# Altium PCB PCB1.PcbDoc (part 2 of 5)
Units mm, origin at the board's own origin, x right, y up, seen from the top; angles counter-clockwise.
Board outline 160 x 50 mm, 6 copper layers (Top Layer, Layer 1, Top Middle Layer, Bottom Middle Layer, Layer 2, Bottom Layer), stack 0.885 mm thick; 337 components, 281 nets, 1269 pads, 489 vias.
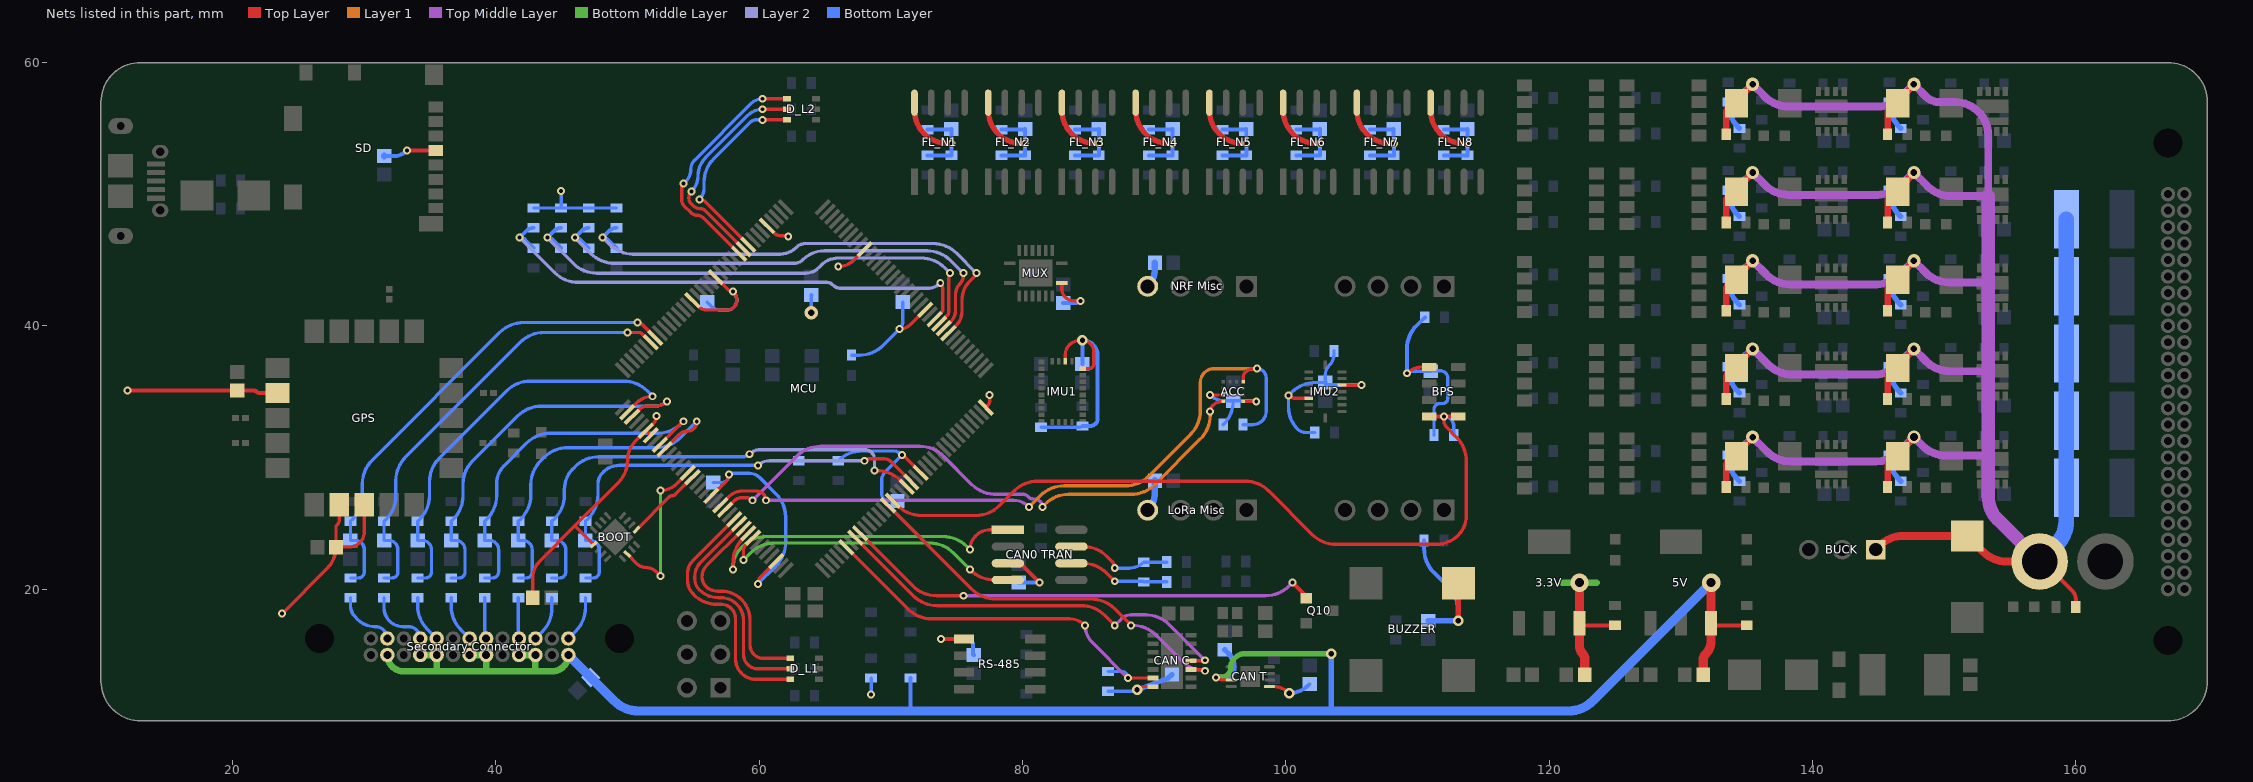
[diagram p6: the nets of this part, all layers, seen from the top]

## Footprints (in the part's own frame and the unit in brackets; to place one, negate y for a bottom-side part, rotate by r counter-clockwise, add the part's x,y. Pads: shape width x height; smd on the part's side, far side on the other; paste and mask are expansions set on the pad) (continued)
QFN50P300X300X65-17N-D [mm]
  rect 0.65x0.25 smd: 1(-1.55,0.75) 2(-1.55,0.25) 3(-1.55,-0.25) 4(-1.55,-0.75) 9(1.55,-0.75) 10(1.55,-0.25) 11(1.55,0.25) 12(1.55,0.75)
  rect 0.25x0.65 smd: 5(-0.75,-1.55) 6(-0.25,-1.55) 7(0.25,-1.55) 8(0.75,-1.55) 13(0.75,1.55) 14(0.25,1.55) 15(-0.25,1.55) 16(-0.75,1.55)
  rect 2x2 smd: 17(0,0)
  silkscreen extent -1.72,1.18 -1.47,1.43, body extent -1.55,-1.55 1.55,1.55, height 0.65
SMD-0603 [mm] "Chip Inductor, 2-Leads, Body 1.6x0.8mm"
  rect 0.85x0.7 smd: 1(-0.775,0) 2(0.775,0)
  body extent -0.8,-0.4 0.8,0.4, height 0.79
SMD-0805 [mm] "Chip Inductor, 2-Leads, Body 2.0x1.2mm"
  rect 1.15x1 smd: 1(-1.175,0) 2(1.175,0)
  body extent -1,-0.6 1,0.6, height 0.89
SN74CBT3257CRGYR [mm]
  rect 0.85x0.28 smd: 1(-1.975,-0.75) 8(1.975,-0.75) 9(1.975,0.75) 16(-1.975,0.75)
  rect 0.28x0.85 smd: 2(-1.25,-1.725) 3(-0.75,-1.725) 4(-0.25,-1.725) 5(0.25,-1.725) 6(0.75,-1.725) 7(1.25,-1.725) 10(1.25,1.725) 11(0.75,1.725) 12(0.25,1.725) 13(-0.25,1.725) 14(-0.75,1.725) 15(-1.25,1.725)
  rect 2.55x2.05 smd: 17(0,0)
  silkscreen extent -2.9,-1.82 2.07,1.83, body extent -2,-1.75 2,1.75, height 1
SOIC127P600X175-8N [mm]
  rect 1.525x0.65 smd: 1(-2.712,1.905) 2(-2.712,0.635) 3(-2.712,-0.635) 4(-2.712,-1.905) 5(2.712,-1.905) 6(2.712,-0.635) 7(2.712,0.635) 8(2.712,1.905)
  silkscreen extent -3.47,-2.45 1.6,2.58, body extent -3,-2.45 3,2.45, height 1.75
"SOIC-8 - duplicate" [mm]
  rect 2x0.5 smd: 1(0,0)
  oval 2x0.5 smd: 2(0,-1.27) 3(0,-2.54) 4(0,-3.81) 5(6,-3.81) 6(6,-2.54) 7(6,-1.27) 8(6,0)
  silkscreen extent 1.27,-4.44 4.7,0.64, body extent 0.05,-4.36 6.05,0.55, height 1.7
SON65P300X450X90-15N-D [mm]
  rect 0.85x0.35 smd: 1(-1.45,1.95) 2(-1.45,1.3) 3(-1.45,0.65) 4(-1.45,0) 5(-1.45,-0.65) 6(-1.45,-1.3) 7(-1.45,-1.95) 8(1.45,-1.95) 9(1.45,-1.3) 10(1.45,-0.65) 11(1.45,0) 12(1.45,0.65) 13(1.45,1.3) 14(1.45,1.95)
  rect 1.65x4.25 smd: 15(0,0)
  silkscreen extent -2,2.5 -1.75,2.75, body extent -1.55,-2.25 1.55,2.25, height 0.9
SOT230P700X180-4N [mm]
  rect 1.85x0.9 smd: 1(-3.1,2.3) 2(-3.1,0) 3(-3.1,-2.3)
  rect 1.85x3.2 smd: 4(3.1,0)
  silkscreen extent -4.03,-3.25 1.75,3.25, body extent -3.5,-3.25 3.5,3.25, height 1.8
TECO-MS560702BA03-50_V [mm] "SMD, 8-Leads, Body 3x5mm, Pitch 1.25mm"
  rect 1.1x0.6 smd: 1(-1.1,1.875) 2(-1.1,0.625) 3(-1.1,-0.625) 4(-1.1,-1.875) 5(1.1,-1.875) 6(1.1,-0.625) 7(1.1,0.625) 8(1.1,1.875)
  silkscreen extent -2.32,-2.5 0.32,2.5, body extent -1.5,-2.5 1.5,2.5, height 1
VISH-SOIC-8_C_V [mm] "SOIC, 8-Leads, Body 6x4mm, Pitch 1.27mm"
  rect 1.14x0.91 smd: 1(-2.73,1.905) 2(-2.73,0.635) 3(-2.73,-0.635) 4(-2.73,-1.905) 5(2.73,-1.905) 6(2.73,-0.635) 7(2.73,0.635) 8(2.73,1.905)
  silkscreen extent -2.85,-3 1.75,3.03, body extent -3,-3 3,3, height 3.46
VR10S09 [mm]
  rect 1.5x1.5 hole 1: 1(0,0)
  round 1.5 hole 1: 2(2.54,0) 3(5.08,0)
  silkscreen extent -3.26,-2.8 8.34,5.7, body extent -3.26,-2.3 8.34,5.7, height 11
WE-150060VS75000_V [mm] "SMD, 2-Leads, Body 1.6x0.8mm"
  rect 0.8x0.8 smd: 1(-0.8,0) 2(0.8,0)
  silkscreen extent -0.25,-0.5 0.25,0.5, body extent -0.8,-0.4 0.8,0.4, height 0.7
XT30 [mm]
  round 4.3 hole 2.7: 1(0,0) 2(5,0)
  body extent -2.62,-2.63 7.62,2.63, height 10.75

## Part data
3.3V 5V: "Integrated Circuit", Manufacturer_Name="Diodes Inc.", Height=1.8mm
  3.3V: Datasheet Link=https://www.arrow.com/en/products/az1117ch2-3.3trg1/diodes-incorporated, Manufacturer_Part_Number=AZ1117CH2-3.3TRG1
  5V: Datasheet Link=https://www.arrow.com/en/products/az1117ch2-5.0trg1/diodes-incorporated, Manufacturer_Part_Number=AZ1117CH2-5.0TRG1
ACC: library part CMP-223024-000001-1, "105C OPERATING HIGHER BANDWIDTH,"
BOOT: "Integrated Circuit", Manufacturer_Name=NXP, Mouser Part Number=841-MKL02Z32VFG4, Arrow Part Number=MKL02Z32VFG4, Arrow Price/Stock=https://www.arrow.com/en/products/mkl02z32vfg4/nxp-semiconductors, Datasheet Link=http://www.nxp.com/docs/en/data-sheet/KL02P32M48SF0.pdf, Height=0.65mm, Manufacturer_Part_Number=MKL02Z32VFG4, Mouser Price/Stock=https://www.mouser.co.uk/ProductDetail/NXP-Semiconductors/MKL02Z32VFG4?qs=RECgZY%252BK1xLpPFD7GzHxWg%3D%3D
"Boot J": "Header, 3-Pin, Dual row", LatestRevisionDate=17-Jul-2002, LatestRevisionNote="Re-released for DXP Platform.", Publisher="Altium Limited"
BPS: library part CMP-2000-07512-1, "Barometric Pressure Sensor, with Stainless Steel Cap , 1.8 to 3.6 V, -40 to 85 degC, 8-Pin SMD, RoHS, Tape and Reel", Manufacturer="TE Connectivity", Package Description="8-Pin Surface Mount Device, Body 3 x 5 mm, Pitch 1.25 mm", Datasheet URL=http://www.te.com/commerce/DocumentDelivery/DDEController?Action=showdoc&DocId=Data+Sheet%7FMS5607-02BA03%7FB2%7Fpdf%7FEnglish%7FENG_DS_MS5607-02BA03_B2.pdf%7FMS560702BA03-50, Datasheet Version=06/2017, Lead Free=LeadFree, Manufacturer URL=http://www.te.com/, Mounting Technology=SurfaceMount, Package Reference=MS560702BA03-50, RoHSCompliant=false
BUCK: "Power Supply", Manufacturer_Name="XP POWER", Datasheet Link=https://www.xppower.com/portals/0/pdfs/SF_VR10.pdf, Height=10.9mm, Manufacturer_Part_Number=VR10S09
BUZZER: library part CMP-247804-000002-1, "AUDIO MAGNETIC XDCR 2-4V SMD", Current=100mA, Frequency=2700Hz, Manufacturer="Soberton Inc.", Max Supply Voltage=4.5V, Min Supply Voltage=2.5V, Operating Supply Voltage=3.6V, Temperature="-30°C to +85°C", Temperature Range High=+85°C, Temperature Range Low=-30°C, Automotive=No, Category=Speak, ComponentLink2Description=Datasheet, ComponentLink2URL=https://www.soberton.com/wp-content/uploads/2019/02/ST-025BH-19-Feb-2019.pdf, Device Class L1=Electromechanical, Device Class L2="Audio Products", Device Class L3=Buzzers, Digikey Description="AUDIO MAGNETIC XDCR 2-4V SMD", Height=3mm, Lead Free=Yes, Manufacturer Part Number=ST-025BH, Octopart=https://octopart.com/st-025bh-soberton-22171825, Package=ST-025BH, RoHS=TRUE
C1 C2 C3 C4 C5 C102 C103 C104 C105 C106 C201 C202 C203 C204 C205 C206 C207 C208 C209 C210 C301 C302 C401 C402 C403 C404 C405 C406 C407 C509 C601 C602 C603 C604 C_F1 C_F2 C_F3 C_F4 C_F5 C_F6 C_F7 C_F8 C_H1 C_H2 C_H3 C_H4 C_H5 C_H6 C_H7 C_H8 C_H9 C_H10 C_N1 C_N2 C_N3 C_N4 C_N5 C_N6 C_N7 C_N8: library part CMP-2006-01550-1, Manufacturer=Vitramon, Part Number=VJ0603Y104KXQCW1BC
C101: "Capacitor Polarised", Manufacturer_Name=Vishay, Datasheet Link=http://www.vishay.com/doc?40080, Height=3.1mm, Manufacturer_Part_Number=TR3D226M035C0400
"CAN0 TRAN": library part CMP-0315-00015-3, "IC TRANSCEIVER HALF 1/1 8SOIC", Case/Package=D, Max Operating Temperature=85°C, Max Supply Current=17mA, Max Supply Voltage=3.6V, Min Operating Temperature=-40°C, Min Supply Voltage=3V, Operating Supply Voltage=3.3V, Package Quantity=1, Contact Plating=Gold, Data Rate=1Mbps, Lead Free="Lead Free", Nominal Supply Current=17mA, Number of Drivers=1, Number of I/Os=2, Number of Pins=8, Number of Receive Buffers=1, Number of Receivers=1, Number of Transceivers=1, Number of Transmit Buffers=1, Packaging="Tape and Reel", Radiation Hardening=No, REACH SVHC="No SVHC", Termination=SMD/SMT, Weight=0.002561oz
"CAN C": "Integrated Circuit", Arrow Part Number=MCP2517FD-H/JHA, Manufacturer_Name=Microchip, Mouser Part Number=579-MCP2517FD-H/JHA, Arrow Price/Stock=https://www.arrow.com/en/products/mcp2517fd-hjha/microchip-technology?region=nac, Datasheet Link=http://ww1.microchip.com/downloads/en/DeviceDoc/MCP2517FD-External-CAN-FD-Controller-with-SPI-Interface-20005688B.pdf, Height=0.9mm, Manufacturer_Part_Number=MCP2517FD-H/JHA, Mouser Price/Stock=https://www.mouser.co.uk/ProductDetail/Microchip-Technology/MCP2517FD-H-JHA?qs=HXFqYaX1Q2zUpFu1TRdQJQ%3D%3D
"CAN T": library part CMP-06279-000021-1, "IC TRANSCEIVER 1/1 8TDFN", Max Operating Temperature=125°C, Min Operating Temperature=-40°C, Data Rate=8Mbps, Mount="Surface Mount", Packaging="Tape and Reel", Receiver Hysteresis=200mV, RoHS Compliant=Yes
D1 D2: library part CMP-12791-000030-1, "DIODE GEN PURP 1KV 3A SMB", Capacitance=40pF, Forward Current=3A, Manufacturer="Diodes Inc.", Max Junction Temp=+150°C, Max Repetitive Reverse Voltage=1000V, Max Surge Forward Current=100A, Package=SMB, Peak Reverse Current=10uA, Temperature="-65°C to +150°C", Temperature Range Low=-65°C, Automotive=No, Category=Diode, ComponentLink2Description=Datasheet, ComponentLink2URL=https://www.diodes.com/assets/Datasheets/ds16005.pdf, Device Class L1="Discrete Semiconductors", Device Class L2=Diodes, Device Class L3="Rectifier Diodes", Digikey Description="DIODE GEN PURP 1KV 3A SMB", Footprint Url=https://www.diodes.com/assets/Package-Files/SMB.pdf, Height=2.5mm, Lead Free=Yes, Manufacturer Part Number=S3MB-13-F, Mouser Description="Rectifiers 1000V 3A", Octopart=https://octopart.com/s3mb-13-f-diodes+inc.-333387, Reverse Voltage=1000V, RoHS=TRUE, Standoff Height=0.05mm, Temperature Range High=+150°C
D1_H1 D1_H2 D1_H3 D1_H4 D1_H5 D1_H6 D1_H7 D1_H8 D1_H9 D1_H10: library part CMP-56207-000009-1, "DIODE GEN PURP 1.6KV 1A DO214AC", Average Rectified Current=1A, Max Reverse Voltage (DC)=1.6kV, Mount="Surface Mount", Packaging="Cut Tape", Reverse Recovery Time=2.5us, RoHS Compliant=Yes
D_L1 D_L2: library part CMP-13977-000015-1, "LED RGB DIFFUSED 6PLCC SMD", Case/Package=SMD/SMT, Color=Blue, Forward Voltage=3V, Lens Color=White, Test Current=10mA, Dominant Wavelength=470nm, Height=2.6mm, Length=2.8mm, Lens Transparency=Diffused, Luminous Intensity=240mcd, Mount="Surface Mount", Packaging="Tape and Reel", Width=2.8mm
DS1 DS2 DS3 DS4 DS7_H1 DS7_H2 DS7_H3 DS7_H4 DS7_H5 DS7_H6 DS7_H7 DS7_H8 DS7_H9 DS7_H10: library part CMP-1426-00006-4, "WL-SMCW SMD Chip LED Top View Monocolor Waterclear, 30 mA, 2 V, -40 to 85 degC, 2-Pin SMD, RoHS, Tape and Reel", ComponentLink1Description="Manufacturer URL", ComponentLink1URL=https://www.we-online.com/, ComponentLink2Description=Datasheet, ComponentLink2URL=http://katalog.we-online.de/led/datasheet/150060VS75000.pdf, DatasheetVersion="Rev. 2.7", Mounting Technology="Surface Mount", PackageDescription="2-Pin Surface Mount Device, Body 1.6 x 0.8 mm", PartNumber=150060VS75000, RoHSCompliant=True
F1: library part CMP-08605-000061-1, "FUSE BRD MNT 1A 125VAC/VDC 2SMD", Fuse Current=1A, Fuse Interrupt Ac Current=50A, Fuse Interrupt Dc Current=300A, Manufacturer="Littelfuse Inc", Max Fuse Ac Voltage=125V, Package=0451, Resistance=0.078Ω, Temperature="-55°C to +125°C", Temperature Range High=+125°C, Temperature Range Low=-55°C, Automotive=No, Category=Fuse, ComponentLink2Description=Datasheet, ComponentLink2URL=https://www.littelfuse.com/~/media/electronics/datasheets/fuses/littelfuse_fuse_451_453_datasheet.pdf.pdf, Device Class L1="Circuit Protection", Device Class L2=Fuses, Device Class L3=unset, Digikey Description="FUSE BRD MNT 1A 125VAC/VDC 2SMD", Fuse Blow Speed=Fast, Fuse I2T=0.6029A2Sec, Height=2.94mm, Lead Free=Yes, Manufacturer Part Number=0451001.MRL, Max Fuse Dc Voltage=125V, Mouser Description="Surface Mount Fuses 125V 1A", Octopart=https://octopart.com/0451001.mrl-littelfuse-566368, RoHS=TRUE, Voltage Rating=125V
F_PTC1 F_PTC2 F_PTC3 F_PTC4 F_PTC5: "Fuse", Manufacturer_Name=LITTELFUSE, Manufacturer_Part_Number=2016L150/33DR, Mouser2 Part Number=576-2016L150/33DR, Datasheet Link=https://componentsearchengine.com//2016L150_33DR.pdf, Height=1.6mm, Mouser2 Price/Stock=https://www.mouser.com/Search/Refine.aspx?Keyword=576-2016L150%2F33DR
FB1: library part CMP-0220-00030-1, "SMD EMI Suppression Ferrite Bead WE-CBF, Z = 120 Ohm", ComponentLink1Description="Manufacturer Link", ComponentLink1URL=http://www.we-online.com, ComponentLink2Description=Datasheet, ComponentLink2URL=http://www.we-online.de/katalog/media/pdf/742792023.pdf, DatasheetVersion=Dec-2005, Impedance="120 Ohm", PackageDescription="Chip Inductor, 2-Leads, Body 2.0 x 1.2 mm", PackageReference=SMD-0805, PackageVersion=2005
FB2 FB3: library part CMP-0220-00181-1, "SMD EMI Suppression Ferrite Bead WE-CBF, Z = 600 Ohm", ComponentLink1Description="Manufacturer Link", ComponentLink1URL=http://www.we-online.com, ComponentLink2Description=Datasheet, ComponentLink2URL=http://www.we-online.de/katalog/media/pdf/742792651.pdf, DatasheetVersion=Dec-2005, Impedance="600 Ohm", PackageDescription="Chip Inductor, 2-Leads, Body 1.6 x 0.8 mm", PackageReference=SMD-0603, PackageVersion=2009
FB5 FB6 FB7 FB8 FB9: library part CMP-0686-00279-4, "Chip Ferrite Bead, 0402, 1000Ω @ 100MHz, 1.25Ω, 25%, 250mA", Case Code (Imperial)=0402, Case Code (Metric)=1005, Current Rating=250mA, DC Resistance (DCR)=1.25R, Frequency=100MHz, Manufacturer Series=BLM15H, Max Operating Temperature=125°C, Min Operating Temperature=-55°C, Package Quantity=1, Tolerance=25%, Case/Package=0402, Contact Plating=Tin, Core Material=Ferrite, DC Current=250mA, DC Resistance-Max=1.25R, Depth=0.5mm, Height=0.5mm, Impedance=1kR, Lead Free="Lead Free", Length=1mm, Material=Steel, Max Current Rating=250mA, Max DC Current=250mA, Military Standard=Not, Number of Circuits=1, Number of Functions=1, Number of Lines=1, Number of Pins=2, Packaging="Tape and Reel", Radiation Hardening=No, REACH SVHC="No SVHC", Resistance=1.25R, RoHS Compliant=Yes, Series=BLM15H, Shielding=Unshielded, Termination=SMD/SMT, Test Frequency=100MHz, Width=0.5mm
FL_N1 FL_N2 FL_N3 FL_N4 FL_N5 FL_N6 FL_N7 FL_N8: library part Component_1
GPS: library part CMP-207130-000004-3, "RF RX GALILEO 1.575GHZ/1.602GHZ", Manufacturer=uBlox, Max Frequency=1602MHz, Max Supply Voltage=3.6V, Min Supply Voltage=2.7V, Nominal Supply Current=9.5-32mA, Package=0, Temperature="-40°C to +85°C", Temperature Range High=+85°C, Temperature Range Low=-40°C, Automotive=Yes, Automotive Grade="Grade 3", Category=IC, ComponentLink2Description=Datasheet, ComponentLink2URL=https://www.u-blox.com/sites/default/files/SAM-M8Q_DataSheet_%28UBX-16012619%29.pdf, Data Rate=400kbits/s, Device Class L1="Integrated Circuits (ICs)", Device Class L2="RF Semiconductors and Devices", Device Class L3=Transceivers, Digikey Description="RF RX GALILEO 1.575GHZ/1.602GHZ", Footprint Url=https://www.u-blox.com/sites/default/files/SAM-M8Q_HardwareIntegrationManual_%28UBX-16018358%29.pdf, Height=6.8mm, Interface=I2C,UART,Other, Lead Free=Yes, Manufacturer Part Number=SAM-M8Q-0-10, Octopart=https://octopart.com/sam-m8q-0-10-u-blox-88247750, RoHS=TRUE, Sensitivity=-165dBm
IMU1: library part CMP-2000-05075-4, "IMU ACCEL/GYRO/MAG I2C 28LGA", Case/Package=LGA, Max Operating Temperature=85°C, Min Operating Temperature=-40°C, Lead Free="Lead Free", Mount="Surface Mount", Output Type=I2C, Packaging="Tape and Reel", Sensor Type=Accelerometer
IMU2: library part CMP-191067-000009-1, "IMU ACCEL/GYRO I2C/SPI 16LGA", Case/Package=LGA, Max Operating Temperature=85°C, Min Operating Temperature=-40°C, Package Quantity=5000, Axis="X, Y, Z", Bandwidth=8Hz, Interface=I2C, Lead Free="Lead Free", Mount="Surface Mount", Number of Pins=16, Output Type=SPI, Packaging="Tape and Reel", Sensitivity=128LSB/g, Sensor Type=Accelerometer
JP1 JP2 JP3 JP4 "JP H_J1" "JP H_J2" "JP H_J3" "JP H_J4" "JP L_J1" "JP L_J2" "JP L_J3" "JP L_J4" R1 R1_F1 R1_F2 R1_F3 R1_F4 R1_F5 R1_F6 R1_F7 R1_F8 R1_L1 R1_L2 R1_N1 R1_N2 R1_N3 R1_N4 R1_N5 R1_N6 R1_N7 R1_N8 R1_O1 R1_O2 R1_O3 R1_O4 R1_O5 R1_O6 R1_O7 R1_O8 R1_O9 R1_O10 R2 R2_F1 R2_F2 R2_F3 R2_F4 R2_F5 R2_F6 R2_F7 R2_F8 R2_L1 R2_L2 R2_N1 R2_N2 R2_N3 R2_N4 R2_N5 R2_N6 R2_N7 R2_N8 R2_O1 R2_O2 R2_O3 R2_O4 R2_O5 R2_O6 R2_O7 R2_O8 R2_O9 R2_O10 R3_H1 R3_H2 R3_H3 R3_H4 R3_H5 R3_H6 R3_H7 R3_H8 R3_H9 R3_H10 R3_L1 R3_L2 R3_N1 R3_N2 R3_N3 R3_N4 R3_N5 R3_N6 R3_N7 R3_N8 R4_H1 R4_H2 R4_H3 R4_H4 R4_H5 R4_H6 R4_H7 R4_H8 R4_H9 R4_H10 R5_H1 R5_H2 R5_H3 R5_H4 R5_H5 R5_H6 R5_H7 R5_H8 R5_H9 R5_H10 R6_H1 R6_H2 R6_H3 R6_H4 R6_H5 R6_H6 R6_H7 R6_H8 R6_H9 R6_H10 R7_H1 R7_H2 R7_H3 R7_H4 R7_H5 R7_H6 R7_H7 R7_H8 R7_H9 R7_H10 R8_H1 R8_H2 R8_H3 R8_H4 R8_H5 R8_H6 R8_H7 R8_H8 R8_H9 R8_H10 R9_H1 R9_H2 R9_H3 R9_H4 R9_H5 R9_H6 R9_H7 R9_H8 R9_H9 R9_H10 R101 R102 R103 R104 R105 R106 R107 R201 R301 R302 R303 R304 R305 R306 R307 R308 R401 R402 R403 R405 R406 R407 R408 R601 R602 R603: library part Res3, "Resistor", LatestRevisionDate=29-May-2009, LatestRevisionNote="IPC-7351 Footprint Added.", PackageDescription="Chip Resistor", PackageReference=J1-0603, Published=8-Jun-2000, Publisher="Altium Limited"
"LoRa Misc" "LoRa SPI" "NRF Misc" "NRF SPI": "XH Series 4 Position 2.5 mm Pitch Through Hole Crimp Top Entry Shrouded Header", Package=None, Availability=Unavailable, MF="{'manufacturer': u'JST Sales America Inc.'}", MP=B4B-XH-A(LF)(SN), Price=None
MCU: library part COMPONENT_1
MUX RS-485: "Integrated Circuit", Manufacturer_Name="Texas Instruments"
  MUX: Datasheet Link=http://www.ti.com/lit/gpn/sn74cb3q3251, Manufacturer_Part_Number=SN74CB3Q3251RGYR
  RS-485: Datasheet Link=http://www.ti.com/lit/gpn/sn65lbc179, Height=1.75mm, Manufacturer_Part_Number=SN65LBC179D
OP_O1 OP_O2 OP_O3 OP_O4 OP_O5 OP_O6 OP_O7 OP_O8 OP_O9 OP_O10: library part CMP-2000-06453-1, "Optocoupler, Phototransistor Output, Dual Channel, 4000 VRMS, -55 to 100 degC, 8-Pin SOIC, RoHS, Tape and Reel", Current - DC Forward (If) (Max)=30mA, Current - Output / Channel=-, Current Transfer Ratio (Max)=200%@10mA, Current Transfer Ratio (Min)=100%@10mA, Manufacturer=Vishay, Operating Temperature=-55°C~100°C, Package / Case="8-SOIC(0.154\",3.90mmWidth)", Package Description="8-Pin Small Outline Integrated Circuit, Body 5.84 x 3.91 mm, Pitch 1.27 mm", Package Reference=SOIC-8, Standard Package=1, Supplier Device Package=8-SOIC, Voltage - Forward (Vf) (Typ)=1.2V, Voltage - Isolation=4000Vrms, Voltage - Output (Max)=70V, Catalog Drawings=OptocouplerCircuit, Category=Isolators, Datasheet URL=http://www.vishay.com/docs/83647/ild205t.pdf, Datasheet Version="Rev. 2.1, 10/2015", EDA / CAD Models=DownloadfromAcceleratedDesigns, Family=Optoisolators-Transistor,PhotovoltaicOutput, Input Type=DC, Manufacturer URL=http://www.vishay.com/, Mounting Technology=SurfaceMount, Mounting Type=SurfaceMount, Number Of Channels=2, Online Catalog=ILD205T,206T,207T,211T,213T,217TSeries, Other Names=751-1310-1ILD207TGICTILD207TGICT-ND, Output Type=Transistor, Packaging=CutTape(CT), Rise / Fall Time (Typ)=3µs,4.7µs, Series=-, Turn On / Turn Off Time (Typ)=6µs,5µs, Vce Saturation (Max)=400mV
"Primary Connector": "Connector", Manufacturer_Name=Harwin, Mouser Part Number=855-G125MH1505M4PM4P, Datasheet Link=https://cdn.harwin.com/pdfs/G125-MH1XX05M4P.pdf, Height=5.3mm, Manufacturer_Part_Number=G125-MH15005M4P, Mouser Price/Stock=https://www.mouser.co.uk/ProductDetail/Harwin/G125-MH15005M4P?qs=vHuUswq2%252Bsyt0BUylu0n%252Bg%3D%3D
Q10: library part CMP-12801-000103-1, "MOSFET N-CH 20V 4.2A SOT23", Case/Package=SOT-23-3, Continuous Drain Current (ID)=4.2A, Drain to Source Breakdown Voltage=20V, Drain to Source Resistance=90mR, Gate to Source Voltage (Vgs)=8V, Input Capacitance=594.3pF, Max Operating Temperature=150°C, Max Power Dissipation=800mW, Min Operating Temperature=-55°C, On-State Resistance=90MR, Package Quantity=3000, Threshold Voltage=1V, Drain to Source Voltage (Vdss)=20V, Element Configuration=Single, Fall Time=6.7ns, FET Type="1 N-Channel", Height=1mm, Lead Free="Lead Free", Length=3mm, Mount="Surface Mount", Number Of Channels=1, Number of Elements=1, Number of Pins=3, Packaging="Tape and Reel", Power Dissipation=800mW, Radiation Hardening=No, Rds On Max=90mR, REACH SVHC="No SVHC", Rise Time=9.8ns, Turn-Off Delay Time=28.1ns, Turn-On Delay Time=7.4ns, Weight=0.000282oz, Width=1.4mm
Q_H1 Q_H2 Q_H3 Q_H4 Q_H5 Q_H6 Q_H7 Q_H8 Q_H9 Q_H10: "No Description Available", Mfr_Name=Vishay, Copyright="Copyright (C) 2022 Ultra Librarian. All rights reserved.", Manufacturer_Part_Number=SIZ340DT-T1-GE3, RefDes=RefDes, Type=DEV
SD: library part CMP-2000-05825-1, "Micro SD Card, RA, -25 to 85 degC, 8-Pin SMD, RoHS, Tape and Reel", Current Rating=500mA, Manufacturer=Molex, Package Description="8-Pin Surface Mount Device, Body 11.95 x 11.4 mm, Pitch 1.1 mm", Voltage Rating=10VAC/DC, Brand=Molex, Card Type=microSD, Contact Material=PhosphorBronze, Contact Plating=Gold, Datasheet URL=http://www.molex.com/pdm_docs/sd/1040310811_sd.pdf, Datasheet Version="Rev. E, 04/2006", Height=1.42mm, Housing Material=LiquidCrystalPolymer(LCP), Insertion - Extraction Style=Push-Pull, Length=11.4mm, Manufacturer URL=http://www.molex.com/, Mating Cycles=10000, Mounting Technology=SurfaceMount, Mounting Type=Standard, Number of Contacts=8, Number Of Rows=1Row, Orientation=RightAngle, Package Reference=104031-0811, Packaging=Reel, Pitch=1.1mm, Product=CardConnectors, Product Category=MemoryCardConnectors, RoHS=True, Series=104031, Termination Style=SMD
"Secondary Connector": "Connector", Manufacturer_Name=Harwin, Mouser Part Number=855-G125MH1265M4PM4P, Datasheet Link=https://cdn.harwin.com/pdfs/G125-MH1XX05M4P.pdf, Height=5.3mm, Manufacturer_Part_Number=G125-MH12605M4P, Mouser Price/Stock=https://www.mouser.co.uk/ProductDetail/Harwin/G125-MH12605M4P?qs=vHuUswq2%252BsyDONvvJZj7dA%3D%3D
USB: library part CMP-2000-05610-1, "Right Angle Female Type AB Micro USB Connector, 30 V, 1.8 A, -30 to 85 degC, RoHS, Tape and Reel", Color=Black, Current Rating=1.8A, Manufacturer=Molex, Operating Temperature Range=-20Cto+85C, Package Description="Micro USB Connector, Pitch 0.65 mm, 5 Positions, Body 7.5 x 5.6 mm", Voltage Rating=30VAC, Brand=Molex, Connector Type=MicroUSBTypeABreceptacle, Contact Material=CopperAlloy, Contact Plating=Gold, Datasheet URL=http://www.molex.com/webdocs/datasheets/pdf/en-us/0475890001_IO_CONNECTORS.pdf, Datasheet Version=12/2016, Gender=Female, Manufacturer URL=http://www.molex.com/, Mounting Angle=Right, Mounting Technology=SurfaceMount, Number of Contacts=5Contact, Number of Ports=1Port, Package Reference=47589-0001, Package URL=http://www.molex.com/pdm_docs/sd/475890001_sd.pdf, Packaging=Reel, Product=MicroUSBTypeABConnectors, Product Category=USBConnectors, RoHS=True, Series=47589, Standard=USB, Termination Style=SMD/SMT
Y: library part CMP-20727-000002-1, "CRYSTAL 40.0000MHZ 8PF SMD", Frequency=40MHz, Load Capacitance=8pF, Manufacturer="Kyocera International Inc. Electronic Components", Manufacturer Part Number=CX2016DB40000D0FLJCC, Package=CX2016DB, Temperature="-30°C to +85°C", Temperature Range High=+85°C, Temperature Range Low=-30°C, Tolerance=15ppm, Automotive=No, Category=Crys, ComponentLink2Description=Datasheet, ComponentLink2URL=https://global.kyocera.com/prdct/electro/product/pdf/cx2016db_e.pdf, Device Class L1="Passive Components", Device Class L2="Crystals / Oscillators", Device Class L3=Crystals, Digikey Description="CRYSTAL 40.0000MHZ 8PF SMD", Esr=50Ω, Height=0.45mm, Lead Free=Yes, Mouser Description="Crystal 40MHz 8pF 4-Pin SMD T/R", Octopart=https://octopart.com/cx2016db40000d0fljcc-avx+%2F+kyocera-71139660, RoHS=TRUE, Series=CX2016DB, Stability=15ppm
Y1: library part CMP-2000-05279-2, "CRYSTAL 16.0000MHZ 8PF SMD", Case/Package=SMD/SMT, ESR (Equivalent Series Resistance)=80R, Frequency=16MHz, Frequency Stability=25ppm, Frequency Tolerance=15ppm, Load Capacitance=8pF, Max Operating Temperature=85°C, Min Operating Temperature=-40°C, Package Quantity=3000, Height=0.022inch, Length=0.098inch, Mount="Surface Mount", Number of Pins=4, Packaging="Tape and Reel", Series Resistance=80R, Width=0.079inch
Y2: library part CMP-40224-000024-1, "CRYSTAL 32.7680KHZ 12.5PF SMD", Case/Package=SMD/SMT, ESR (Equivalent Series Resistance)=90kR, Frequency=32.768kHz, Frequency Stability=-0.03ppm, Frequency Tolerance=20ppm, Load Capacitance=12.5pF, Max Operating Temperature=85°C, Min Operating Temperature=-40°C, Package Quantity=1, Height=0.024inch, Lead Free="Lead Free", Length=0.079inch, Mount="Surface Mount", Number of Pins=2, Packaging="Tape and Reel", Termination=SMD/SMT, Tolerance=20ppm, Width=1.2mm

## Via types
v1: diameter 0.6, hole 0.3, Top Layer to Bottom Layer, 440 vias
v2: diameter 1, hole 0.5, Top Layer to Bottom Layer, 25 vias
v3: diameter 0.8, hole 0.4, Top Layer to Bottom Layer, 12 vias
v4: diameter 6, hole 3.2, Top Layer to Bottom Layer, 5 vias
v5: diameter 0.5, hole 0.3, Top Layer to Bottom Layer, 4 vias
v6: diameter 1.4, hole 0.7, Top Layer to Bottom Layer, 2 vias
v7: diameter 1, hole 0.6, Top Layer to Bottom Layer, 1 vias

## Nets (pads, with @x,y where several pads share a name; then routed paths per layer and width w, separated by ;. In a path a pad name is that pad's centre, name@x,y a point inside that pad or via, vN(x,y) a via of type N, cw(c..) or ccw(c..) an arc to the next point about the centre after c; other vN are vias at no path point)
3.3V: 3.3V.3 "CAN0 TRAN.3" "CAN C.14" "CAN T.5" "JP H_J1.1" "JP H_J2.1" "JP H_J3.1" "JP H_J4.1" "LoRa Misc.4" "NRF Misc.4" ACC.3 ACC.7 BOOT.1 BPS.1 BUZZER.2 C3.2 C4.2 C104.2 C201.2 C202.2 C203.2 C204.2 C205.2 C209.2 C210.2 C301.2 C302.2 C401.2 C402.2 C403.2 C404.2 C405.2 C407.2 C509.1 C601.2 C602.2 C603.2 C_N1.1 C_N2.1 C_N3.1 C_N4.1 C_N5.1 C_N6.1 C_N7.1 C_N8.1 FB2.2 FL_N1.8 FL_N2.8 FL_N3.8 FL_N4.8 FL_N5.8 FL_N6.8 FL_N7.8 FL_N8.8 GPS.2 GPS.3 GPS.17 IMU1.3 IMU1.28 IMU2.3 IMU2.11 MCU.5 MCU.16 MCU.21 MCU.42 MCU.43 MCU.56 MCU.70 MCU.94 MCU.108 MCU.122 MCU.135 MUX.16 R1_N1.1 R1_N2.1 R1_N3.1 R1_N4.1 R1_N5.1 R1_N6.1 R1_N7.1 R1_N8.1 R2.2 R2_N1.1 R2_N2.1 R2_N3.1 R2_N4.1 R2_N5.1 R2_N6.1 R2_N7.1 R2_N8.1 R3_N1.1 R3_N2.1 R3_N3.1 R3_N4.1 R3_N5.1 R3_N6.1 R3_N7.1 R3_N8.1 R102.2 R104.1 R303.1 R304.2 R402.1 R403.1 R405.1 R406.2 R407.1 R408.1 R602.1 R603.1 RS-485.1 SD.4 | length 311.5
  Top Layer w0.254: v1(23.75,18.15) 27.178,21.578 ccw(c25.556,23.2) C402.2@27.85,23.2 ; GPS.2@28.1,26.4 28.1,25.262 cw(c27.588,25.262) 27.95,24.9 ccw(c28.191,24.659) 27.85,24.659 C402.2@27.85,23.2 ; GPS.3@30,26.4 30,24.35 cw(c28.85,24.35) 28.85,23.2 C402.2@27.85,23.2 ; C209.2@42.8,19.35 42.8,20.871 cw(c44.561,20.871) 43.316,22.116 46,24.8 ; BOOT.1@47.424,23.384 46,24.8 ; MCU.43@51.747,31.676 MCU.42@51.393,32.029 ; v1@52.139,33.089 v1(52.2,33.15) cw(c51.442,33.15) 51.978,32.614 MCU.42@51.393,32.029 ; MCU.21@54.929,41.929 55.416,41.442 ccw(c56,42.026) 56,41.2 57.54,41.2 ccw(c57.54,41.948) 58.069,41.419 58.088,41.438 ccw(c57.576,41.95) 58.3,41.95 ccw(c57.455,41.95) 58.053,42.547 v1(58,42.6) cw(c58,43.099) 57.647,42.746 MCU.16@56.697,43.697 ; MCU.56@56.343,27.08 57.514,28.25 ccw(c57.064,28.7) v1(57.7,28.7) ; v1(59.9,20.4) cw(c60.714,20.4) 60.138,20.975 MCU.70@61.293,22.13 ; MCU.5@60.586,47.586 61.125,47.047 ccw(c61.6,47.522) 61.6,46.85 62.079,46.85 cw(c62.079,46.679) v1(62.2,46.8) ; v1(66,44.5) ccw(c66,46.171) 67.182,44.99 MCU.135@68.01,45.818 ; v1(70.65,39.75) ccw(c70.65,40.92) 71.478,40.093 MCU.122@72.607,41.222 ; v1(70.85,30.2) 70.901,30.2 MCU.94@72.253,28.848 ; MCU.108@77.203,33.797 77.355,33.949 ccw(c77.004,34.3) 77.5,34.3 v1(77.5,34.75) ; 78.886,21.965 79.835,21.965 ; MUX.16@82.975,43.25 82.975,42.825 ccw(c83.9,42.825) 83.9,41.9 v1(84.4,41.9) ; IMU1.3@83.25,37.313 83.25,37.826 cw(c84.274,37.826) 83.55,38.55 cw(c84.395,37.705) 84.395,38.9 v3(84.55,38.9) cw(c84.55,38.05) 85.4,38.05 85.4,37.1 cw(c85.05,37.1) 85.05,36.75 IMU1.28@84.563,36.75 ; v3(88.7,12.35) cw(c89.304,11.746) 89.304,12.6 89.9,12.6 ; v1(94.25,34.75) ACC.3@95.237,34.75 ; ACC.7@96.762,34.25 v1(97.75,34.25) ; 98.75,12.6 99.043,12.6 cw(c99.043,10.893) v3(100.25,12.1) ; v1(100.2,34.7) ccw(c100.683,35.183) 100.683,34.5 IMU2.11@101.737,34.5 ; IMU2.3@104.263,35.5 v1(105.75,35.5) ; v1(109.2,36.4) cw(c110.347,35.253) 110.347,36.875 BPS.1@110.9,36.875 ; 46,24.8 49.293,28.093 ccw(c47.586,29.8) 50,29.8 cw(c52.018,29.8) 50.591,31.227 MCU.42@51.393,32.029
  Top Layer w0.3: v1(12,35.1) 21.559,35.1 cw(c21.559,34.759) 21.8,35 ccw(c22.041,35.241) 22.041,34.9 GPS.17@23.4,34.9 ; v1(33.25,53.312) SD.4@35.413,53.312 ; v1(73.8,16.215) RS-485.1@75.538,16.215 ; 79.835,21.965 v1(81.3,20.5) ; 3.3V.3@122.662,17.25 R102.2@125,17.25
  Top Layer w0.4: FL_N1.8@71.79,56.95 71.79,56.39 ccw(c74.33,56.39) 74.33,53.85 v1(74.6,53.85) ; FL_N2.8@77.39,56.95 77.39,56.39 ccw(c79.93,56.39) 79.93,53.85 v1(80.2,53.85) ; FL_N3.8@82.99,56.95 82.99,56.39 ccw(c85.53,56.39) 85.53,53.85 v1(85.8,53.85) ; FL_N4.8@88.59,56.95 88.59,56.39 ccw(c91.13,56.39) 91.13,53.85 v1(91.4,53.85) ; FL_N5.8@94.19,56.95 94.19,56.39 ccw(c96.73,56.39) 96.73,53.85 v1(97,53.85) ; FL_N6.8@99.79,56.95 99.79,56.39 ccw(c102.33,56.39) 102.33,53.85 v1(102.6,53.85) ; FL_N7.8@105.39,56.95 105.39,56.39 ccw(c107.93,56.39) 107.93,53.85 v1(108.2,53.85) ; FL_N8.8@110.99,56.95 110.99,56.39 ccw(c113.53,56.39) 113.53,53.85 v1(113.8,53.85) ; v3(113.1,17.6) BUZZER.2@113.1,20.45
  Top Layer w0.7: v6(122.3,20.5) 3.3V.3@122.3,17.4 122.3,15.704 ccw(c123.154,15.704) 122.55,15.1 cw(c122.188,14.738) 122.7,14.738 C104.2@122.7,13.5
  Bottom Middle Layer w0.5: 121,20.5 v6(122.3,20.5) 123.6,20.5
  Bottom Layer w0.254: 42.85,48.95 44.95,48.95 ; v1(44.95,50.25) 44.95,48.95 ; 49.15,48.95 47.05,48.95 44.95,48.95 ; C202.2@56.05,41.8 56.403,41.447 ccw(c57,42.045) 57,41.2 57.567,41.2 ccw(c57.567,41.883) 58.05,41.4 58.088,41.438 ccw(c57.576,41.95) 58.3,41.95 ccw(c57.455,41.95) 58.053,42.547 v1(58,42.6) ; C203.2@56.5,28.1 57.151,28.1 ccw(c57.151,28.613) 57.514,28.25 ccw(c57.064,28.7) v1(57.7,28.7) cw(c57.941,28.459) 57.941,28.8 59.25,28.8 cw(c59.25,27.714) 60.018,28.482 61.293,27.207 cw(c59.586,25.5) 62,25.5 62,23.552 cw(c59.46,23.552) 61.256,21.756 v1(59.9,20.4) ; R303.1@63,29.75 R304.2@66,29.75 66.002,29.752 cw(c67.798,27.956) 67.798,30.496 70.205,30.496 cw(c70.204,30.242) 70.227,30.495 cw(c70.126,29.476) v1(70.85,30.2) 69.583,28.933 ccw(c70.266,28.25) 69.3,28.25 69.3,27.25 ccw(c69.85,27.25) 69.85,26.7 C204.2@70.5,26.7 ; v2(63.95,41) C201.2@63.95,42.35 cw(c63.95,42.3) C201.2@64,42.3 ; FB2.2@67,37.775 67.623,37.775 ccw(c67.623,40.315) 69.419,38.519 v1(70.65,39.75) ccw(c70.046,40.354) 70.9,40.354 C205.2@70.9,41.8 ; v1(68.5,12) R104.1@68.5,13.25 ; R405.1@81.4,32.3 84.309,32.3 ccw(c84.309,32.641) R406.2@84.55,32.4 ; R2.2@86.5,12.25 88.6,12.25 ccw(c88.6,12.35) v3(88.7,12.35) ; v1(94.25,34.75) ccw(c95.336,35.836) 95.336,34.3 C404.2@96,34.3 ; R403.1@95.25,32.5 95.258,32.508 ccw(c93.465,34.3) C404.2@96,34.3 ; v1(97.75,34.25) ccw(c97.629,34.129) 97.629,34.3 C404.2@96,34.3 ; C4.2@101.701,12.701 C4.2@101.8,12.8 ; R407.1@102.2,31.9 101.504,31.9 cw(c101.504,32.754) 100.9,32.15 cw(c102.59,33.84) 100.2,33.84 v1(100.2,34.7) 100.456,34.956 cw(c102.252,33.16) 102.252,35.7 C407.2@103,35.7 103,36.276 cw(c104.024,36.276) 103.3,37 ccw(c102.455,37.845) 103.65,37.845 R408.1@103.65,38.1 ; v1(109.2,36.4) cw(c109.562,36.038) 109.562,36.55 C403.2@111,36.55 cw(c111.05,36.55) 111.05,36.6 111.7,36.6 cw(c111.7,36) 112.3,36 112.3,34.5 cw(c111.9,34.5) 111.9,34.1 111.7,34.1 ccw(c111.7,33.65) 111.25,33.65 R402.1@111.25,31.7
  Bottom Layer w0.3: C210.2@31.5,52.9 32.254,52.9 ccw(c32.254,54.308) v1(33.25,53.312) ; R1_N1.1@72.79,52.95 R2_N1.1@74.59,52.95 74.6,52.95 v1(74.6,53.85) 74.59,53.85 C_N1.1@74.59,54.95 cw(c74.54,54.95) 74.54,54.9 R3_N1.1@72.79,54.9 ; v1(73.8,16.215) 75.735,16.215 cw(c75.735,15.7) 76.25,15.7 76.25,15.06 ccw(c76.3,15.06) C301.2@76.3,15.01 ; R1_N2.1@78.39,52.95 R2_N2.1@80.19,52.95 80.2,52.95 v1(80.2,53.85) 80.19,53.85 C_N2.1@80.19,54.95 cw(c80.14,54.95) 80.14,54.9 R3_N2.1@78.39,54.9 ; C302.2@79.7,20.5 v1(81.3,20.5) ; C509.1@83.075,41.738 84.008,41.738 ccw(c84.008,42.292) v1(84.4,41.9) ; R1_N3.1@83.99,52.95 R2_N3.1@85.79,52.95 85.8,52.95 v1(85.8,53.85) 85.79,53.85 C_N3.1@85.79,54.95 cw(c85.74,54.95) 85.74,54.9 R3_N3.1@83.99,54.9 ; R406.2@84.55,32.4 85.15,32.4 ccw(c85.15,32.95) 85.7,32.95 85.7,37.75 ccw(c84.55,37.75) v3(84.55,38.9) C405.2@84.55,37.1 ; 89.144,42.644 89.5,43 ; R1_N4.1@89.59,52.95 R2_N4.1@91.39,52.95 91.4,52.95 v1(91.4,53.85) 91.39,53.85 C_N4.1@91.39,54.95 cw(c91.34,54.95) 91.34,54.9 R3_N4.1@89.59,54.9 ; R1_N5.1@95.19,52.95 R2_N5.1@96.99,52.95 97,52.95 v1(97,53.85) 96.99,53.85 C_N5.1@96.99,54.95 cw(c96.94,54.95) 96.94,54.9 R3_N5.1@95.19,54.9 ; v3(100.25,12.1) ccw(c100.25,14.152) C4.2@101.701,12.701 ; R1_N6.1@100.79,52.95 R2_N6.1@102.59,52.95 102.6,52.95 v1(102.6,53.85) 102.59,53.85 C_N6.1@102.59,54.95 cw(c102.54,54.95) 102.54,54.9 R3_N6.1@100.79,54.9 ; C407.2@103,35.7 ccw(c103.2,35.7) 103.2,35.5 v1(105.75,35.5) ; R1_N7.1@106.39,52.95 R2_N7.1@108.19,52.95 108.2,52.95 v1(108.2,53.85) 108.19,53.85 C_N7.1@108.19,54.95 cw(c108.14,54.95) 108.14,54.9 R3_N7.1@106.39,54.9 ; v1(109.2,36.4) 109.2,38.248 cw(c111.74,38.248) 109.944,40.044 R602.1@110.55,40.65 ; R603.1@110.5,23.7 110.5,23.052 ccw(c113.04,23.052) 111.244,21.256 112.356,20.144 cw(c110.56,18.348) 113.1,18.348 v3(113.1,17.6) ; R1_N8.1@111.99,52.95 R2_N8.1@113.79,52.95 113.8,52.95 v1(113.8,53.85) 113.79,53.85 C_N8.1@113.79,54.95 cw(c113.74,54.95) 113.74,54.9 R3_N8.1@111.99,54.9